# Altium PCB Bub Commander.PcbDoc (continued)
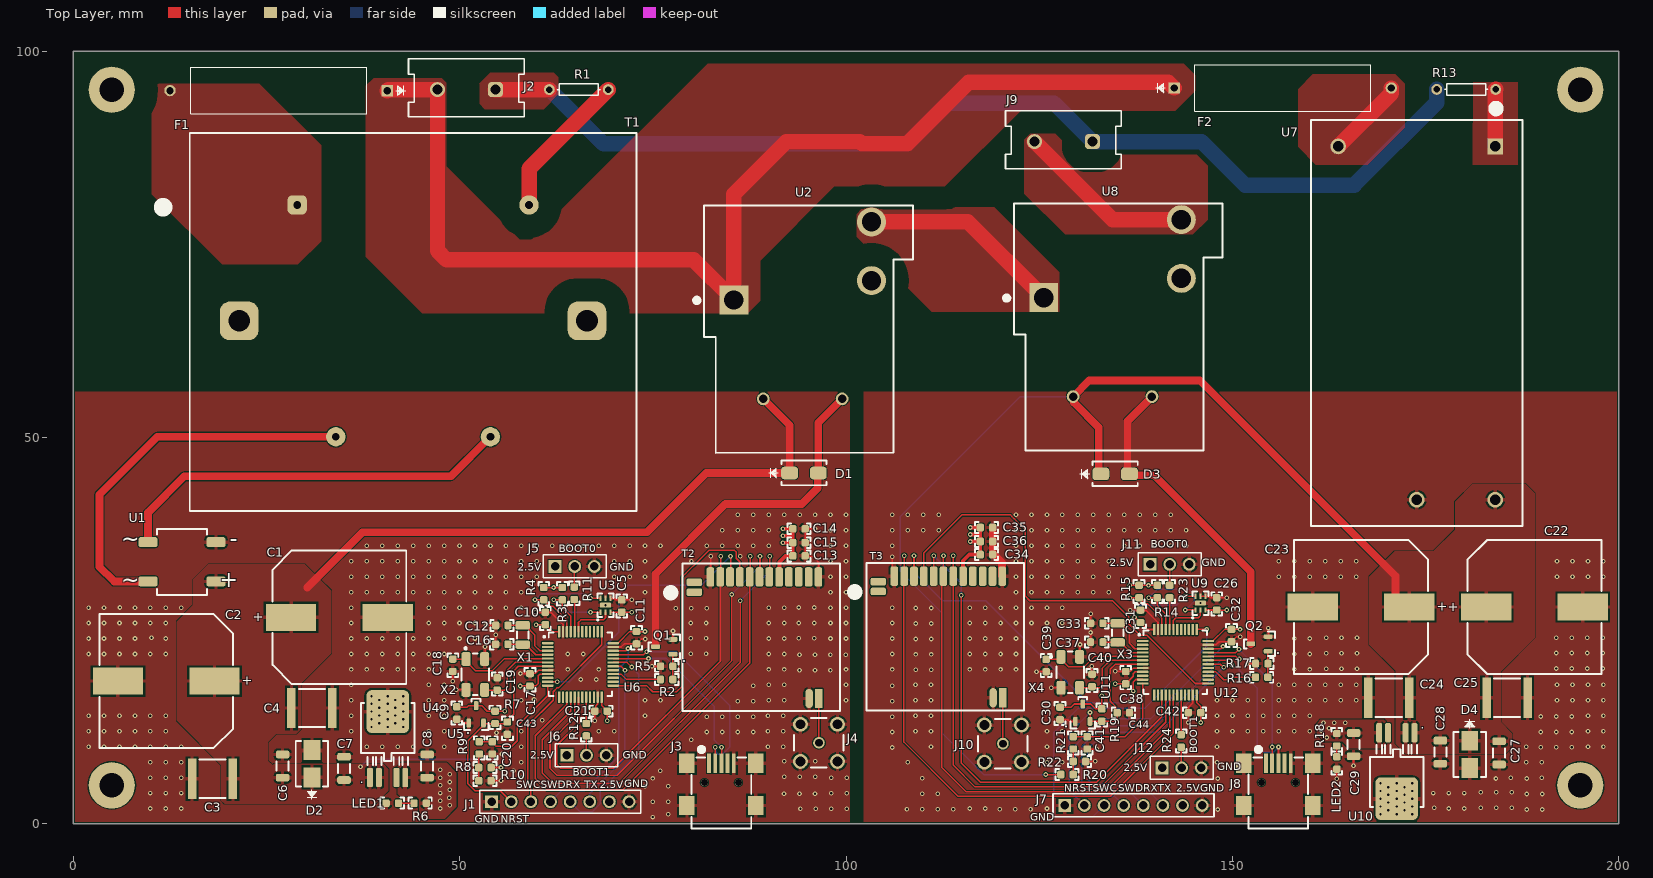
[diagram p0: Top Layer view]
## Nets (pads, with @x,y where several pads share a name; then routed paths per layer and width w, separated by ;. In a path a pad name is that pad's centre, name@x,y a point inside that pad or via, vN(x,y) a via of type N, cw(c..) or ccw(c..) an arc to the next point about the centre after c; other vN are vias at no path point)
2.5V_C: C26.2 C29.2 C30.2 C31.1 C32.2 C34.2 C35.2 C36.2 C38.2 C42.2 J7.7 J11.1 J12.1 R14.2 R15.2 R18.2 R19.2 T3.10 U9.3 U10.5 U11.3 U12.9 U12.24 U12.36 U12.48 | length 41.9
  Top Layer w0.2: C30.2 129.1,15.1 129.526,15.526 U11.3 131.655,15.526 132.282,14.9 R19.2 ; R19.2@133.098,14.902 v1(133.098,16.61) ; v1(134.838,18.137) 136.183,18.137 137.154,19.108 137.154,19.452 137.382,19.68 U12.9@137.658,19.68 ; v1(136.733,30.874) R15.2@137.876,30.874 ; v1(137.323,26.769) 137.354,26.769 138.047,26.076 C31.1@138.078,26.076 ; R15.2@137.878,30.876 137.882,30.872 139.139,30.872 v1(139.143,30.868) 140.27,30.868 R14.2 ; C31.1 139.011,25.168 U12.48 ; U12.24 145.367,15.733 145.9,15.2 C42.2 ; v1(145.9,13.129) C42.2@145.9,14.375 ; U9.3 146.518,27.688 147.958,27.688 C26.2 v1(149.263,27.683) ; U12.36 146.905,23.73 147.532,23.73 148.978,25.176 v1(150.978,25.176)
  Top Layer w0.5: T3.10@115.146,31.226 115.146,34.057 115.947,34.858 C34.2 C36.2 ; v1(116.094,36.558) C36.2 ; v1(116.094,37.458) 117.372,37.458 ; v1(116.094,38.358) C35.2 117.372,37.458 ; C36.2 117.372,37.458
  other v1: 162.185,11.196 161.485,12.096 162.485,12.396 161.785,13.096 163.185,13.096 164.585,13.096
2.5V_T: C5.2 C8.2 C9.2 C10.1 C11.2 C13.2 C14.2 C15.2 C17.2 C21.2 J1.7 J5.1 J6.1 R3.2 R4.2 R6.2 R7.2 T2.10 U3.3 U4.5 U5.3 U6.9 U6.24 U6.36 U6.48 | length 38.6
  Top Layer w0.2: C9.2 49.709,15.1 50.978,15.1 51.194,15.316 52.862,15.316 53.578,14.6 R7.2 ; R7.2@54.585,14.585 v1(55.832,14.585) ; v1(57.86,17.86) 59.865,17.86 60.176,18.171 60.176,19.176 60.404,19.404 U6.9@60.68,19.404 ; v1(59.9,25.8) C10.1 61.125,25.8 62.033,24.892 U6.48 ; R4.2 60.904,30.596 62.161,30.596 v1(62.165,30.592) 63.292,30.592 R3.2 ; U6.24 68.389,15.411 68.4,15.4 68.4,15.325 69.1,14.625 C21.2 v1(69.1,13.354) ; U3.3 69.54,27.412 70.98,27.412 C5.2 v1(72.285,27.407) ; U6.36 69.927,23.454 70.554,23.454 72,24.9 v1(74,24.9)
  Top Layer w0.5: T2.10@91.38,32.005 91.38,33.88 92.193,34.693 C13.2 C15.2 ; v1(91.837,36.393) C15.2 ; v1(91.837,37.293) 93.115,37.293 ; v1(91.837,38.193) C14.2 C15.2
  other v1: 47.5,2 48.729,2.441 47.5,3 48.685,3.396 47.5,4 48.729,4.441 47.5,5 48.729,5.441 47.5,6 48.729,6.441 47.5,7
12V_AC_T: T1.9 U1.4 | length 50.1
  Top Layer w1: U1.4 5.317,31.383 3.4,33.3 3.4,42.6 10.898,50.098 T1.9
12V_C: C22.1 C23.1 C24.2 C25.2 C27.2 C28.2 D3.1 D4.1 R20.2 U7.5 U8.2 U10.1 U10.2 | length 146.3
  Top Layer w0.2: v1(125.839,6.4) R20.2
  Top Layer w1: D3.1 132.701,45.566 132.701,51.3 129.51,54.491 129.51,55.172 U8.2 131.485,57.396 145.785,57.396 171.085,32.096 171.085,29.326 172.335,28.076 C23.1
  Bottom Layer w0.2: v1(125.839,6.4) 117.821,6.4 112.373,11.848 112.373,27.353 107.001,32.725 107.001,39.746 122.551,55.296 U8.2
12V_Monitor_C: C41.1 R21.2 U12.12 | length 14.5
  Top Layer w0.2: R21.2 C41.1 136.089,11.3 138.379,13.59 U12.12@138.379,18.176
12V_Monitor_T: C20.1 R9.2 U6.12 | length 14.3
  Top Layer w0.2: R9.2 C20.1 54.239,10.532 54.699,10.072 56.76,10.072 57.473,10.784 57.473,12.673 61.401,16.601 U6.12@61.401,17.9
12V_RTN: T1.13 U1.3 | length 52.2
  Top Layer w1: U1.3 9.692,40.292 14.4,45 48.891,45 T1.13
12V_T: C1.1 C2.1 C3.2 C4.2 C6.2 C7.2 D1.1 D2.1 R8.2 U1.1 U2.2 U4.1 U4.2 | length 99.9
  Top Layer w0.2: R8.2@54.071,7.311 v1(55.371,7.311) ; R8.2 R8.2@54.1,7.282
  Top Layer w1: 30.3,30.6 37.447,37.747 74.247,37.747 81.916,45.416 D1.1 92.701,51.599 U2.2
  Bottom Layer w0.2: v1(37.185,7.396) 38.185,8.396 54.285,8.396 v1(55.371,7.311)
230V_AC: F1.1 F2.1 J2.2 U2.1 | length 145.6
  Top Layer w2: F1.1 40.766,95.027 J2.2 47.144,74.168 48.316,72.996 80.303,72.996 U2.1 85.497,81.508 92.285,88.296 101.804,88.296 102.101,88 107.899,88 115.899,96 141.684,96 F2.1
230V_AC_F1: F1.2 T1.7
230V_AC_F2: F2.2 U7.2 | length 10.4
  Top Layer w2: U7.2 170.556,94.547 F2.2
ALERT_C: U9.2 U12.43 | length 5.7
  Top Layer w0.2: U12.43 142.367,26.365 142.678,26.676 145.578,26.676 145.863,26.961 U9.2
ALERT_T: U3.2 U6.43 | length 5.7
  Top Layer w0.2: U6.43 65.389,26.089 65.7,26.4 68.6,26.4 68.885,26.685 U3.2
BOOT0_C: R23.1 U12.44 | length 4.2
  Top Layer w0.2: R23.1@141.817,29.33 R23.1 U12.44
BOOT0_T: R11.1 U6.44 | length 4.2
  Top Layer w0.2: R11.1 64.889,29.004 U6.44
BOOT1_C: R24.1 U12.20 | length 4.4
  Top Layer w0.2: R24.1 U12.20@143.369,15.958
BOOT1_T: R12.1 U6.20 | length 3.4
  Top Layer w0.2: U6.20 66.394,16.41 66.394,13.006 R12.1
BULB: U2.5 U8.1 | length 26.4
  Top Layer w2: U2.5 115.779,77.903 U8.1
BULB_COM_C: R16.2 U12.28 | length 6.7
  Top Layer w0.2: U12.28 147.859,19.68 148.478,19.061 148.863,18.676 149.678,18.676 149.978,18.976 R16.2
BULB_COM_T: R2.2 U6.28 | length 6.4
  Top Layer w0.2: U6.28 70.881,19.404 71.585,18.7 R2.2
BULB_FINAL_C: J9.2 U8.5 | length 23.2
  Top Layer w2: J9.2 134.485,78.196 U8.5
D+_C: J8.2 U12.33 | length 20.7
  Top Layer w0.2: U12.33 150.416,22.18 150.829,22.593 v1(150.851,22.593) ; J8.2@155.159,7.88 v1(155.159,9.957)
  Bottom Layer w0.2: v1(150.851,22.593) 155.159,18.286 v1(155.159,9.957)
D+_T: J3.2 U6.33 | length 28.6
  Top Layer w0.2: U6.33 73.798,21.904 v1(74.198,22.304) ; J3.2@83.1,7.869 v1(83.1,9.946)
  Bottom Layer w0.2: v1(74.198,22.304) 77.978,22.304 84.985,15.296 84.985,9.996 83.985,8.996 83.485,8.996 83.136,9.346 83.136,9.911 v1(83.1,9.946)
D-_C: J8.3 U12.32 | length 21.8
  Top Layer w0.2: U12.32 150.441,21.68 150.767,21.354 v1(150.875,21.354) ; J8.3@155.959,7.88 v1(155.959,9.957)
  Bottom Layer w0.2: v1(150.875,21.354) 150.875,19.906 153.185,17.596 153.185,10.196 154.085,9.296 155.298,9.296 v1(155.959,9.957)
D-_T: J3.3 U6.32 | length 23.4
  Top Layer w0.2: U6.32 74.443,21.404 v1(74.452,21.413) ; J3.3@83.9,7.869 v1(83.9,9.946)
  Bottom Layer w0.2: v1(74.452,21.413) 76.769,21.413 82.932,15.25 82.932,10.914 v1(83.9,9.946)
GND_C: C22.2 C23.2 C24.1 C25.1 C26.1 C27.1 C28.1 C29.1 C30.1 C31.2 C32.1 C33.2 C34.1 C35.1 C36.1 C37.2 C38.1 C39.2 C40.2 C41.2 C42.1 C44.1 D4.2 J7.1 J7.8 J8.5 J8.SH1 J8.SH2 J8.SH3 J8.SH4 J10.G1 J10.G2 J10.G3 J10.G4 J11.3 J12.3 LED2.2 Q2.2 R17.1 R22.1 T3.3 T3.14 T3.16 U7.4 U9.4 U9.5 U9.7 U10.3 U11.1 U12.8 U12.23 U12.35 U12.47 X4.2 X4.4 | length 45.9
  Top Layer w0.2: v1(105.985,34.596) 105.985,32.39 T3.3@106.258,32.118 ; v1(124.654,19.7) C39.2 ; v1(126.571,17.63) X4.2 ; C30.1 128.7,13.5 128.924,13.276 U11.1 ; X4.4@130.278,21.976 v1(130.278,23.223) ; R22.1 v1(132.246,8.1) ; C41.2 v1(132.446,9.7) ; C37.2 v1(131.645,24.78) ; C33.2 v1(131.652,27.217) ; v1(131.8,20.4) 131.8,19.417 C40.2 ; v1(134.853,19.751) C38.1@136.099,19.751 ; C38.1@136.085,19.737 136.114,19.766 136.768,19.766 137.182,20.18 U12.8 ; v1(136.778,27.676) 138.778,27.676 140.367,26.088 U12.47 ; v1(144.3,13.129) C42.1@144.3,14.375 ; C42.1 144.3,15.1 144.867,15.667 U12.23@144.867,15.971 ; U9.5 U9.4 146.982,29.473 147.178,29.276 147.956,29.276 C26.1 v1(149.263,29.283) ; U12.35 147.882,23.18 148.278,23.576 C32.1 150.514,24.213 v1(150.99,24.213) ; v1(151.893,20.759) R17.1 ; Q2.2 v1(154.625,25.35) ; v1(163.5,5.873) LED2.2 ; v1(165.662,7.539) 165.662,8.765 C29.1
  Top Layer w1: C35.1 C36.1 118.972,35.028 120.188,33.812 120.188,32.098 T3.14@120.198,32.088
  other v1: 169.163,1.271 171.263,1.271 173.263,1.271 170.163,1.771 172.263,1.771 148.089,1.882 188.089,1.882 190.089,1.882 107.882,1.911 109.882,1.911 111.882,1.911 113.882,1.911 119.882,1.911 121.882,1.911 123.882,1.911 116,2 118,2 126,2 178,2 180,2 176.118,2.089 182.118,2.089 184.118,2.089 186.118,2.089 169.163,2.271 171.263,2.271 173.263,2.271 170.163,2.771 172.263,2.771 169.163,3.271 171.263,3.271 173.263,3.271 170.163,3.771 172.263,3.771 188.089,3.882 190.089,3.882 109.882,3.911 111.882,3.911 176,4 178,4 180,4 182.118,4.089 184.118,4.089 186.118,4.089 169.163,4.271 171.263,4.271 173.263,4.271 170.163,4.771 172.263,4.771 169.163,5.271 171.263,5.271 173.263,5.271 148.089,5.882 184.089,5.882 188.089,5.882 109.882,5.911 186,6 190,6 108,8 126,8 128,8 148,8 188,8 190,8 105.985,9.896 189.882,9.911 191.882,9.911 193.882,9.911 111,10 126,10 128,10 148,10 188,10 196,10 198,10 105.985,11.896 189.882,11.911 191.882,11.911 193.882,11.911 109,12 111,12 126,12 128,12 148,12 150,12 152,12 154,12 156,12 158,12 160,12 196,12 198,12 105.985,13.896 189.882,13.911 191.882,13.911 193.882,13.911 109,14 111,14 148,14 150,14 152,14 154,14 156,14 158,14 160,14 196,14 198,14 136.685,15.796 105.985,15.896 109,16 111,16 148,16 150,16 152,16 154,16 156,16 158,16 160,16 162,16 164,16 166,16 192,16 194,16 196,16 198,16 105.985,17.896 109,18 111,18 156,18 158,18 160,18 162,18 164,18 166,18 192,18 194,18 196,18 198,18 109.04,19.941 111.04,19.941 106,20 116,20 118,20 120,20 122,20 158,20 160,20 162.118,20.089 164.118,20.089 166.118,20.089 191.911,20.118 193.911,20.118 195.911,20.118 197.911,20.118 109.04,21.941 111.04,21.941 106,22 116,22 118,22 120,22 122,22 158,22 160,22 162.118,22.089 164.118,22.089 166.118,22.089 191.911,22.118 193.911,22.118 195.911,22.118 197.911,22.118 109.04,23.941 111.04,23.941 106,24 116,24 118,24 120,24 122,24 158,24 160,24 162.118,24.089 164.118,24.089 166.118,24.089 191.911,24.118 193.911,24.118 195.911,24.118 197.911,24.118 109.04,25.941 111.04,25.941 106,26 116,26 118,26 120,26 122,26 124,26 126,26 128,26 109.04,27.941 111.04,27.941 106,28 116,28 118,28 120,28 122,28 124,28 126,28 128,28 145.863,28.583 122,30 124,30 126,30 128,30 130,30 132,30 134,30 122,32 124,32 126,32 128,32 130,32 132,32 134,32 156,32 158,32 160,32 162,32 164,32 166,32 192,32 194,32 196,32 198,32 122,34 124,34 126,34 128,34 130,34 132,34 134,34 156,34 158,34 160,34 162,34 164,34 166,34 192,34 194,34 196,34 198,34 106,36 122,36 124,36 126,36 128,36 130,36 132,36 134,36 136,36 138,36 140,36 142,36 144,36 106,38 108,38 110,38 112,38 122,38 124,38 126,38 128,38 130,38 132,38 134,38 136,38 138,38 140,38 142,38 144,38 106,40 108,40 110,40 112,40 122,40 124,40 126,40 128,40 130,40 132,40 134,40 136,40 138,40 140,40 142,40
GND_T: C1.2 C2.2 C3.1 C4.1 C5.1 C6.1 C7.1 C8.1 C9.1 C10.2 C11.1 C12.2 C13.1 C14.1 C15.1 C16.2 C17.1 C18.2 C19.2 C20.2 C21.1 C43.1 D2.2 J1.1 J1.8 J3.5 J3.SH1 J3.SH2 J3.SH3 J3.SH4 J4.G1 J4.G2 J4.G3 J4.G4 J5.3 J6.3 LED1.2 Q1.2 R5.1 R10.1 T2.3 T2.14 T2.16 U1.2 U3.4 U3.5 U3.7 U4.3 U5.1 U6.8 U6.23 U6.35 U6.47 X2.2 X2.4 | length 42.3
  Top Layer w0.2: v1(49.129,18.489) C18.2 ; v1(49.593,17.354) X2.2 ; C9.1 49.935,13.274 50.389,13.274 50.597,13.066 U5.1 ; X2.4@53.3,21.7 v1(53.3,22.946) ; v1(53.428,25.694) C12.2 ; R10.1@54.071,5.611 v1(55.371,5.611) ; C16.2 v1(54.667,24.504) ; v1(57.875,19.475) C17.1@59.121,19.475 ; C17.1 59.136,19.489 59.789,19.489 60.204,19.904 U6.8 ; v1(59.8,27.4) C10.2 61.8,27.4 63.389,25.811 U6.47 ; v1(67.5,13.354) C21.1 67.608,14.708 67.608,15.283 67.878,15.553 67.878,16.405 U6.23 ; U3.4 70.003,29.197 70.2,29 70.978,29 C5.1 v1(72.285,29.007) ; U6.35 70.904,22.904 71.3,23.3 C11.1 73.536,23.936 v1(74.011,23.936) ; v1(74.9,20.4) R5.1 ; Q1.2 v1(77.61,24.979) ; T2.3@82.52,32.035 v1(82.52,34.64) ; v1@96,38.2 v1(95.993,38.193) C14.1 C15.1 C13.1 94.809,34.6 95.7,34.6 96.46,33.84 T2.14@96.46,32.005
  other v1: 74.985,0.896 77.019,1.255 94.103,1.985 96.103,1.985 98.104,1.985 100.104,1.985 10,2 12,2 14,2 74.985,2.896 76.985,2.896 91.985,3.896 93.985,3.896 95.985,3.896 10,4 12,4 14,4 98.103,3.985 100.104,3.985 73.985,4.896 76.985,4.896 74.985,5.896 10,6 12,6 14,6 58,6 98.103,5.985 100.104,5.985 92.015,6.103 94.015,6.103 96.015,6.103 56.985,6.896 75.985,6.896 10,8 12,8 14,8 58,8 92.015,8.103 96.015,8.103 55.485,9.054 2,10 4,10 6,10 8,10 10,10 12,10 14,10 38,10 40,10 42,10 44,10 48,10 58,10 89.896,10.015 91.896,10.015 79.985,10.896 64.565,11.18 54.785,11.796 81.985,11.896 83.985,11.896 85.985,11.896 87.985,11.896 2,12 4,12 6,12 8,12 10,12 12,12 36,12 46,12 48,12 58,12 68,12 70,12 89.896,12.015 91.896,12.015 38.6,12.546 40.7,12.546 42.7,12.546 39.6,13.046 41.7,13.046 60.707,13.413 38.6,13.546 40.7,13.546 42.7,13.546 81.985,13.896 83.985,13.896 85.985,13.896 87.985,13.896 2,14 4,14 6,14 8,14 10,14 12,14 36,14 46,14 48,14 74,14 89.896,14.015 91.896,14.015 39.6,14.046 41.7,14.046 38.6,14.546 40.7,14.546 42.7,14.546 39.6,15.046 41.7,15.046 38.6,15.546 40.7,15.546 42.7,15.546 85.985,15.896 87.985,15.896 36,16 46,16 48,16 58,16 74,16 76,16 90,16 92,16 100,16 39.6,16.046 41.7,16.046 59.632,16.106 38.6,16.546 40.7,16.546 42.7,16.546 87.985,17.896 36,18 46,18 48,18 90,18 92,18 100,18 65.685,18.696 67.685,18.696 93.985,19.896 95.985,19.896 97.985,19.896 36,20 38,20 40,20 42,20 44,20 46,20 64,20 68,20 90,20 92,20 100,20 93.985,21.896 95.985,21.896 97.985,21.896 99.985,21.896 2,22 4,22 6,22 8,22 10,22 12,22 36,22 38,22 40,22 42,22 44,22 46,22 48,22 64,22 66,22 90,22 92,22 79.896,22.015 81.896,22.015 2,24 4,24 6,24 8,24 12,24 36,24 38,24 40,24 42,24 44,24 46,24 48,24 50,24 52,24 79.896,24.015 81.896,24.015 90,24 92,24 93.896,24.015 95.896,24.015 98,24 100,24 10.143,24.088 2,26 4,26 6,26 8,26 10,26 12,26 36,26 46,26 48,26 50,26 52,26 79.896,26.015 81.896,26.015 90,26 92,26 93.896,26.015 95.896,26.015 98,26 100,26 77.985,27.896 79.985,27.896 81.985,27.896 2,28 4,28 8,28 10,28 12,28 14,28 36,28 46,28 48,28 50,28 52,28 54,28 56,28 58,28 90,28 92,28 98,28 100,28 6.057,28.01 93.896,28.015 95.896,28.015 68.885,28.307 77.985,29.896 36,30 38,30 40,30 42,30 44,30 46,30 48,30 50,30 52,30 54,30 56,30 58,30 74,30 98,30 100,30 36,32 38,32 40,32 42,32 44,32 46,32 48,32 50,32 52,32 54,32 56,32 58,32 60,32 70,32 72,32 74,32 98,32 100,32 36,34 38,34 40,34 42,34 44,34 46,34 48,34 50,34 52,34 54,34 56,34 58,34 60,34 70,34 72,34 74,34 80,34 98,34 100,34 86.33,34.64 38,36 40,36 42,36 44,36 46,36 48,36 50,36 52,36 54,36 56,36 58,36 60,36 62,36 64,36 66,36 68,36 70,36 72,36 74,36 76,36 82,36 84,36 86,36 88,36 90,36 98,36 100,36 84,38 86,38 88,38 90,38 98,38 100,38 86,40 88,40 90,40 92,40 94,40 96,40 98,40 100,40
MISO_C: T3.9 U12.16 | length 62.7
  Top Layer w0.2: T3.9@113.848,32.088 113.848,7.652 116.704,4.796 132.996,4.796 141.367,13.167 U12.16 ; T3.9@113.878,32.118 v1(113.878,34.723)
MISO_T: T2.9 U6.16 | length 61.9
  Top Layer w0.2: U6.16 64.389,14.6 60.7,10.911 60.7,6.6 62,5.3 70.7,5.3 86.337,20.937 v1(86.337,28.903) ; T2.9@90.14,32.035 v1(90.14,34.64)
  Bottom Layer w0.2: v1(86.337,28.903) 90.14,32.706 v1(90.14,34.64)
MOSI_C: T3.8 U12.17 | length 65.9
  Top Layer w0.2: T3.8@112.578,32.088 112.4,31.909 112.4,7.3 115.504,4.196 133.596,4.196 141.867,12.467 U12.17 ; T3.8@112.608,32.118 v1(112.608,34.723)
MOSI_T: T2.8 U6.17 | length 58.2
  Top Layer w0.2: U6.17 64.885,16.412 64.885,13.796 61.712,10.624 61.712,10.335 61.7,10.322 61.7,7.2 62.6,6.3 70.4,6.3 85.2,21.1 v1(85.2,29.7) ; T2.8@88.87,32.035 v1(88.87,34.64)
  Bottom Layer w0.2: v1(85.2,29.7) 88.87,33.37 v1(88.87,34.64)
NetC12_1: C12.1 U6.3 X1.2 | length 7.3
  Top Layer w0.2: C12.1 56.281,25.701 58.499,25.701 59.7,24.5 59.7,23.1 60.396,22.404 U6.3
NetC16_1: C16.1 U6.4 X1.1 | length 5
  Top Layer w0.2: C16.1 56.292,23.233 58.142,23.233 X1.1 58.567,23.208 59.87,21.904 U6.4@60.68,21.904
NetC33_1: C33.1 U12.3 X3.2 | length 7
  Top Layer w0.2: C33.1 133.259,25.977 135.138,25.977 X3.2 ; X3.2@135.477,25.977 136.678,24.777 136.678,23.376 137.374,22.68 U12.3
NetC37_1: C37.1 U12.4 X3.1 | length 5
  Top Layer w0.2: C37.1 X3.1@135.095,23.534 ; X3.1 135.545,23.484 136.849,22.18 U12.4@137.658,22.18
  Top Layer w1: X3.1@135.095,23.534 X3.1
NetD1_2: D1.2 Q1.3 U2.3 | length 47.7
  Top Layer w1: Q1.3@75.36,23.129 75.36,32.36 84.396,41.396 94.285,41.396 96.358,43.469 96.358,45.101 96.416,45.158 96.416,51.922 U2.3
NetD3_2: D3.2 Q2.3 U8.3 | length 41.7
  Top Layer w1: U8.3 136.416,52.127 136.416,45.566 D3.2 136.842,45.14 139.871,45.14 152.375,32.636 Q2.3
NetJ4_1: J4.1 T2.15 | length 5.8
  Top Layer w0.2: J4.1 T2.15 T2.15@96.534,16.278
NetJ5_2: J5.2 R11.2 | length 2.7
  Top Layer w0.2: R11.2 64.869,30.684 64.869,33.289 J5.2
NetJ6_2: J6.2 R12.2 | length 2.5
  Top Layer w0.2: R12.2 66.413,11.387 66.413,8.904 J6.2
NetJ10_1: J10.1 T3.15 | length 6
  Top Layer w0.2: T3.15@120.272,16.36 T3.15 J10.1
NetJ11_2: J11.2 R23.2 | length 2.7
  Top Layer w0.2: R23.2 141.867,33.586 J11.2
NetJ12_2: J12.2 R24.2 | length 2.7
  Top Layer w0.2: R24.2 143.399,9.911 143.399,7.289 J12.2
NetLED1_1: LED1.1 R6.1 | length 2
  Top Layer w0.2: LED1.1 R6.1
NetLED2_1: LED2.1 R18.1 | length 1.4
  Top Layer w0.2: LED2.1 R18.1
NetQ1_1: Q1.1 R2.1 R5.2 | length 3.3
  Top Layer w0.2: R2.1 R5.2 77.6,21.969 Q1.1
NetQ2_1: Q2.1 R16.1 R17.2 | length 3.4
  Top Layer w0.2: R16.1 154.578,22.303 Q2.1
NetR8_1: R8.1 R9.1 R10.2 | length 3.5
  Top Layer w0.2: R10.2 52.512,5.623 52.512,9.027 R9.1
NetR20_1: R20.1 R21.1 R22.2 | length 3.3
  Top Layer w0.2: R20.1 R21.1
NRST_C: C44.2 J7.2 R19.1 U11.2 U12.7 | length 29.2
  Top Layer w0.2: v1(131.578,14.419) U11.2 131.602,13.3 R19.1 134.689,13.3 135.085,13.696 C44.2 134.884,14.597 134.884,15.196 134.184,15.896 134.184,20.008 134.857,20.68 U12.7@137.658,20.68
  Bottom Layer w0.2: J7.2 128.885,4.356 128.885,11.726 v1(131.578,14.419)
NRST_T: C43.2 J1.2 R7.1 U5.2 U6.7 | length 29.2
  Top Layer w0.2: J1.2 55.27,4.3 51.982,4.3 51.085,5.196 51.085,10.785 51.7,11.4 51.706,11.4 53.097,12.791 U5.2 53.163,13 R7.1 55.8,13 57,14.2 57,19.8 57.604,20.404 U6.7@60.68,20.404
NSS_C: T3.6 U12.25 | length 56.5
  Top Layer w0.2: T3.6 110.066,35.075 114.987,39.996 121.285,39.996 121.473,39.809 121.473,39.782 121.782,39.473 121.809,39.473 123.185,38.096 123.185,29.496 123.785,28.896 134.485,28.896 136.585,26.796 136.585,25.896 138.085,24.396 138.985,24.396 145.201,18.18 U12.25
NSS_T: T2.6 U6.25 | length 35.6
  Top Layer w0.2: U6.25 74.178,17.904 74.985,17.096 78.085,17.096 78.785,17.796 78.785,31.934 79.248,32.396 81.085,34.234 82.248,35.396 85.585,35.396 85.785,35.196 85.785,34.396 86.266,33.916 T2.6
NUL: J2.1 J9.1 R1.1 R13.1 | length 137.4
  Top Layer w2: J2.1 R1.1
  Bottom Layer w2: R1.1 68.645,88 107.899,88 113.171,93.271 126.91,93.271 J9.1 145.998,88.296 151.641,82.653 165.754,82.653 176.434,93.333 R13.1
NUL_VRT1: R1.2 T1.1 | length 19.2
  Top Layer w2: T1.1 58.99,84.779 R1.2
NUL_VRT2: R13.2 U7.1 | length 7.4
  Top Layer w2: U7.1 183.997,94.983 R13.2
OSC_IN_C: C39.1 U12.5 X4.1 | length 12.7
  Top Layer w0.2: C39.1 X4.1@127.791,21.3 ; X4.1@127.817,21.326 128.768,20.375 130.85,20.375 132.155,21.68 U12.5@137.658,21.68
  Top Layer w1: X4.1@127.791,21.3 X4.1@127.817,21.326
OSC_IN_T: C18.1 U6.5 X2.1 | length 13
  Top Layer w0.2: C18.1 50.82,21.335 X2.1 50.839,21.049 52.088,19.8 54.2,19.8 55.804,21.404 U6.5@60.68,21.404
OSC_OUT_C: C40.1 U12.6 X4.3 | length 10.2
  Top Layer w0.2: X4.3 130.244,17.604 131.851,17.604 132.805,17.604 133.178,17.976 133.178,20.176 134.182,21.18 U12.6@137.658,21.18
OSC_OUT_T: C19.1 U6.6 X2.3 | length 10.2
  Top Layer w0.2: X2.3 53.266,17.327 C19.1 55.827,17.327 56.2,17.7 56.2,19.9 57.204,20.904 U6.6@60.68,20.904
PA1_C: T3.5 U12.11 | length 43.3
  Top Layer w0.2: T3.5@108.798,32.118 v1(108.798,34.723) ; v1(137.185,17.196) 137.185,18.396 137.485,18.696 138.363,18.696 U12.11
  Bottom Layer w0.2: v1(108.798,34.723) 108.798,32.587 112.488,28.896 118.085,28.896 131.285,15.696 135.685,15.696 v1(137.185,17.196)
PA1_T: T2.5 U6.11 | length 35.9
  Top Layer w0.2: U6.11 v1(62.647,18.404) ; T2.5@85.06,32.035 v1(85.06,34.64)
  Bottom Layer w0.2: v1(62.647,18.404) 64.193,18.404 70.585,24.796 70.585,29.696 71.785,30.896 81.317,30.896 v1(85.06,34.64)
RESET_C: T3.4 U12.18 | length 70.2
  Top Layer w0.2: T3.4@107.498,32.088 107.498,10.602 114.503,3.596 134.196,3.596 142.367,11.767 U12.18 ; T3.4@107.528,32.118 v1(107.528,34.723)
RESET_T: T2.4 U6.18 | length 50.5
  Top Layer w0.2: U6.18 65.389,13 62.585,10.196 62.585,7.715 63.1,7.2 69.9,7.2 83.76,21.06 T2.4@83.76,32.005 ; T2.4@83.79,32.035 v1(83.79,34.64)
RX_C: J7.5 U12.31 | length 41.6
  Top Layer w0.2: U12.31 149.307,21.18 v1(149.923,20.565)
  Bottom Layer w0.2: J7.5 136.365,4.496 131.285,4.496 130.485,5.296 130.485,9.996 133.185,12.696 139.985,12.696 148.57,21.281 149.207,21.281 v1(149.923,20.565)
RX_T: J1.5 U6.31 | length 27.6
  Top Layer w0.2: U6.31 71.665,20.904 v1(72.263,20.306)
  Bottom Layer w0.2: J1.5 65.594,1.596 67.185,1.596 68.185,2.596 68.185,4.296 73.185,9.296 73.185,19.384 v1(72.263,20.306)
SCK_C: T3.7 U12.15 | length 64.2
  Top Layer w0.2: T3.7@111.338,32.118 v1(111.338,34.723) ; v1(114.9,29.6) 114.9,7.9 117.4,5.4 132.4,5.4 140.867,13.867 U12.15
  Bottom Layer w0.2: v1(111.338,34.723) 114.9,31.161 v1(114.9,29.6)
SCK_T: T2.7 U6.15 | length 61.2
  Top Layer w0.2: U6.15 63.889,15.5 59.8,11.411 59.8,5.9 61.3,4.4 71.1,4.4 87.57,20.87 T2.7@87.57,32.005 ; T2.7@87.6,32.035 v1(87.6,34.64)
SCL_C: R14.1 U9.1 U12.45 | length 16.1
  Top Layer w0.2: v1(139.178,29.276) R14.1 140.278,28.276 141.367,27.188 U12.45 ; v1(143.913,27.693) U9.1
  Bottom Layer w0.2: v1(139.178,29.276) 140.298,30.396 144.385,30.396 145.085,29.696 145.085,28.866 v1(143.913,27.693)
SCL_T: R3.1 U3.1 U6.45 | length 12.3
  Top Layer w0.2: v1(62.2,29) R3.1 63.3,28 64.389,26.911 U6.45 ; v1(66.935,27.417) U3.1
  Bottom Layer w0.2: v1(62.2,29) 63.783,27.417 v1(66.935,27.417)
SDA_C: R15.1 U9.6 U12.46 | length 16
  Top Layer w0.2: v1(136.733,29.274) R15.1@137.876,29.274 ; R15.1 138.73,28.465 139.065,28.465 140.867,26.664 U12.46 ; v1(143.913,29.473) U9.6
  Bottom Layer w0.2: v1(136.733,29.274) 137.711,28.296 142.736,28.296 v1(143.913,29.473)
SDA_T: R4.1 U3.6 U6.46 | length 15.8
  Top Layer w0.2: v1(59.755,28.998) 60.898,28.998 R4.1 60.941,29 61.752,28.189 62.087,28.189 63.889,26.387 U6.46 ; v1(66.935,29.197) U3.6
  Bottom Layer w0.2: v1(59.755,28.998) 60.554,29.796 66.335,29.796 v1(66.935,29.197)
SWCLK_C: J7.3 U12.37 | length 45.7
  Top Layer w0.2: U12.37@145.373,25.175 v1(146.673,25.175)
  Bottom Layer w0.2: J7.3 131.885,0.896 127.285,0.896 126.885,1.296 126.885,11.796 130.085,14.996 138.685,14.996 146.673,22.985 v1(146.673,25.175)
SWCLK_T: J1.3 U6.37 | length 26.2
  Top Layer w0.2: J1.3 59.227,4.88 58.829,5.279 58.829,12.729 62.113,16.013 62.113,17.113 62.6,17.6 62.789,17.6 68.389,23.2 U6.37
SWDIO_C: J7.4 U12.34 | length 39
  Top Layer w0.2: U12.34 148.482,22.68 v1(148.778,22.976)
  Bottom Layer w0.2: J7.4 134.725,3.596 130.985,3.596 129.685,4.896 129.685,10.196 133.085,13.596 139.398,13.596 v1(148.778,22.976)
SWDIO_T: J1.4 U6.34 | length 27.7
  Top Layer w0.2: U6.34 71.504,22.404 v1(71.8,22.7)
  Bottom Layer w0.2: J1.4 63.18,4.296 66.129,4.296 70.585,8.752 70.585,20.096 71.8,21.311 v1(71.8,22.7)
TX_C: J7.6 U12.30 | length 39.2
  Top Layer w0.2: U12.30 148.433,20.68 148.837,20.276 v1(148.878,20.276)
  Bottom Layer w0.2: J7.6 138.205,5.196 131.885,5.196 131.285,5.796 131.285,9.696 133.485,11.896 140.498,11.896 v1(148.878,20.276)
TX_T: J1.6 U6.30 | length 20.6
  Top Layer w0.2: U6.30 70.88,20.404 v1(71.398,19.886)
  Bottom Layer w0.2: J1.6 66.847,3.938 71.398,8.49 v1(71.398,19.886)
pads on no net: J3. J3.1 J3.4 J8. J8.1 J8.4 T1.MH1 T1.MH2 T2.1 T2.2 T2.11 T2.12 T2.13 T3.1 T3.2 T3.11 T3.12 T3.13 U2.4 U4.4 U6.1 U6.2 U6.10 U6.13 U6.14 U6.19 U6.21 U6.22 U6.26 U6.27 U6.29 U6.38 U6.39 U6.40 U6.41 U6.42 U8.4 U10.4 U12.1 U12.2 U12.10 U12.13 U12.14 U12.19 U12.21 U12.22 U12.26 U12.27 U12.29 U12.38 U12.39 U12.40 U12.41 U12.42

## Polygon pours and split planes (outlines as drawn)
GND_T on Top Layer "NONET_L-01_P-001" (solid, pour order 8): 100.5,55.896 0,55.897 0,0 100.5,0
GND_C on Top Layer "NONET_L-01_P-001" (solid, pour order 7): 102.3,55.896 200,55.896 200,0 102.3,0
NUL_VRT2 on Top Layer "NONET_L-01_P-001" (solid, pour order 20): 181.185,95.996 186.885,95.996 186.885,85.296 181.085,85.296 181.085,85.496
230V_AC_F2 on Top Layer "NONET_L-01_P-001" (solid, pour order 19): 160.485,96.996 171.085,96.996 172.285,95.796 172.285,90.096 167.485,85.296 160.785,85.296 158.485,87.596 158.485,95.096 160.485,97.096
230V_AC on Top Layer "NONET_L-01_P-001" (solid, pour order 14): 37.885,94.696 37.885,95.496 38.885,96.496 47.685,96.496 48.285,95.896 48.285,85.096 57.785,75.597 59.285,75.596 82.085,98.396 143.685,98.396 145.185,96.896 145.185,94.896 142.585,92.296 122.585,92.296 112.785,82.496 98.485,82.497 88.885,72.896 88.885,67.696 87.285,66.096 74.185,66.096 45.185,66.096 37.885,73.396
BULB_FINAL_C on Top Layer "NONET_L-01_P-001" (solid, pour order 18): 123.488,92.06 124.288,92.06 129.788,86.56 145.388,86.56 146.788,85.16 146.788,78.199 144.885,76.296 128.352,76.296 123.085,81.563 123.085,91.657
BULB on Top Layer "NONET_L-01_P-001" (solid, pour order 16): 101.385,75.997 101.385,78.896 102.285,79.796 119.185,79.796 127.585,71.396 127.585,66.296 111.085,66.297
NUL on Top Layer "NONET_L-01_P-001" (solid, pour order 15): 52.585,95.696 52.585,93.196 53.285,92.496 60.885,92.496 62.785,94.396 62.785,96.596 62.185,97.196 53.985,97.196 52.485,95.696
230V_AC_F1 on Top Layer "NONET_L-01_P-001" (solid, pour order 13): 10.185,95.796 24.085,95.796 32.085,87.796 32.085,75.396 29.085,72.396 19.285,72.396 10.185,81.496
2.5V_C on Top Layer "NONET_L-01_P-001" (solid, pour order 6): 161.38,13.5 169.6,13.5 170.1,13 170.1,10.6 169.3,9.8 165.1,9.8 164.2,10.7 161.9,10.7 160.9,11.7 160.9,12.9
2.5V_T on Top Layer "NONET_L-01_P-001" (solid, pour order 3): 42.4,7.9 48.361,7.9 49.6,6.661 49.6,2.2 48.1,0.7 45.6,0.7 44.8,1.5 44.8,3.2 44.4,3.6 42.3,3.6 42,3.9 42,7.5
12V_C on Top Layer "NONET_L-01_P-001" (solid, pour order 5): 171,35.3 176,35.3 178.8,38.1 178.8,41.7 181.1,44 187.9,44 189.1,42.8 189.1,24.1 184.7,19.7 184.7,13.2 186.2,11.7 186.2,10 185.3,9.1 172.4,9.1 171.1,10.4 171.1,19.8 167.7,23.2 167.7,32
12V_T on Top Layer "NONET_L-01_P-001" (solid, pour order 0): 15.5,28.3 15.5,31.6 17.5,33.6 30,33.6 33.4,30.2 33.4,22.1 29.5,18.2 29.5,12.3 28.9,11.7 26.3,11.7 25.2,10.6 25.2,8.2 25.8,7.6 26,7.8 40.1,7.8 40.8,7.1 40.8,4.3 39.1,2.6 19.6,2.6 19.181,3.019 19.181,7.619 13.4,13.4 13.4,26.2
GND_C on Bottom Layer "NONET_L-01_P-001" (solid, remove dead copper, pour order 12): 105,59 200,59 200,0 105,0
GND_T on Bottom Layer "NONET_L-01_P-001" (solid, remove dead copper, pour order 11): 103.1,58.9 0,58.9 0,0 103.1,0
NUL on Bottom Layer "NONET_L-01_P-001" (solid, pour order 17): 58.285,97.696 183.485,97.696 186.885,94.296 186.885,81.796 173.985,68.896 69.685,68.896 57.385,81.196 57.385,96.796
2.5V_T on Bottom Layer "NONET_L-01_P-001" (solid, pour order 9): 47.085,7.696 55.085,7.696 61.185,13.796 61.185,15.797 60.085,16.896 57.485,16.896 56.685,16.096 56.685,14.196 56.185,13.696 55.485,13.696 54.985,14.196 54.985,16.896 54.985,17.996 55.685,18.696 60.285,18.697 61.185,19.596 61.185,23.777 58.985,25.977 58.985,29.596 60.685,31.296 60.685,33.996 61.685,34.996 63.385,34.996 64.129,34.253 64.129,32.83 64.263,32.696 76.585,32.696 82.885,38.996 91.985,38.996 92.485,38.496 92.485,11.496 81.485,0.496 46.685,0.496 46.285,0.896 46.285,6.896
2.5V_C on Bottom Layer "NONET_L-01_P-001" (solid, pour order 10): 165.785,28.296 165.785,11.496 154.685,0.396 143.185,0.396 142.085,1.496 142.085,3.296 139.585,5.796 132.185,5.796 131.934,6.048 131.934,9.245 134.185,11.496 140.585,11.496 144.285,15.196 152.685,15.196 154.385,17.097 154.385,20.497 151.185,23.696 146.585,23.696 139.185,16.296 132.485,16.296 114.985,33.796 114.985,37.996 116.085,39.096 133.085,39.096 154.985,39.096

## Silkscreen, mask and mechanical layers (free items; w line width, h text height)
Top Overlay:
  text "BOOT0" at 139.435,35.746 h1
  text "BOOT0" at 62.835,35.146 h1
  text "2.5V" at 134.135,33.346 h1
  text "GND" at 146.038,33.344 h1
  text "2.5V" at 57.535,32.746 h1
  text "GND" at 69.438,32.744 h1
  text "BOOT1" at 145.435,9.146 h1 r90
  text "2.5V" at 59.135,8.446 h1
  text "GND" at 71.135,8.446 h1
  text "GND" at 148.035,6.946 h1
  text "2.5V" at 135.935,6.846 h1
  text "BOOT1" at 64.635,6.246 h1
  text "GND" at 71.335,4.746 h1
  text "SWC" at 57.335,4.646 h1
  text "SWD" at 60.535,4.646 h1
  text "RX" at 63.735,4.646 h1
  text "TX" at 66.135,4.646 h1
  text "2.5V" at 68.135,4.646 h1
  text "NRST" at 128.235,4.146 h1
  text "SWC" at 131.935,4.146 h1
  text "SWD" at 135.235,4.146 h1
  text "RX" at 138.435,4.146 h1
  text "TX" at 140.335,4.146 h1
  text "2.5V" at 142.735,4.146 h1
  text "GND" at 145.835,4.146 h1
  text "GND" at 123.835,0.446 h1
  text "GND" at 51.935,0.146 h1
  text "NRST" at 55.335,0.146 h1
Board:
  the board outline again, w0.1

## Text inside footprints (layer, text, board x,y; h text height)
C1: Top Overlay "+" at 24.652,27.245 h1.22 r180
C2: Top Overlay "+" at 21.849,17.995 h1.22
C22: Top Overlay "+" at 179.285,28.576 h1.22 r180
C23: Top Overlay "+" at 176.433,27.576 h1.22
J3: Top Assembly "PCB EDGE" at 88.081,-1.131 h0.8
J8: Top Assembly "PCB EDGE" at 160.14,-1.12 h0.8
U1: Top Overlay "~" at 8.62,37.661 h2.08 r180; Top Overlay "~" at 8.615,32.371 h2.09 r180; Top Overlay "-" at 21.281,37.482 h2.08 r180; Top Overlay "+" at 21.356,32.424 h2.08 r180; Top Assembly "-" at 16.784,37.409 h2.09 r180; Top Assembly "+" at 16.856,32.374 h2.08 r180; Top Assembly "~" at 12.824,38.884 h2.08 r180; Top Assembly "~" at 12.823,33.522 h2.08 r180